# Altium PCB ssmaster.PcbDoc (part 2 of 3)
Units mil, origin at the board's own origin, x right, y up, seen from the top; angles counter-clockwise.
Board outline 3937.01 x 2755.91 mil, 4 copper layers (Top Layer, Ground Plane 1, Mid-Layer 1, Bottom Layer); 130 components, 268 nets, 1033 pads, 451 vias.
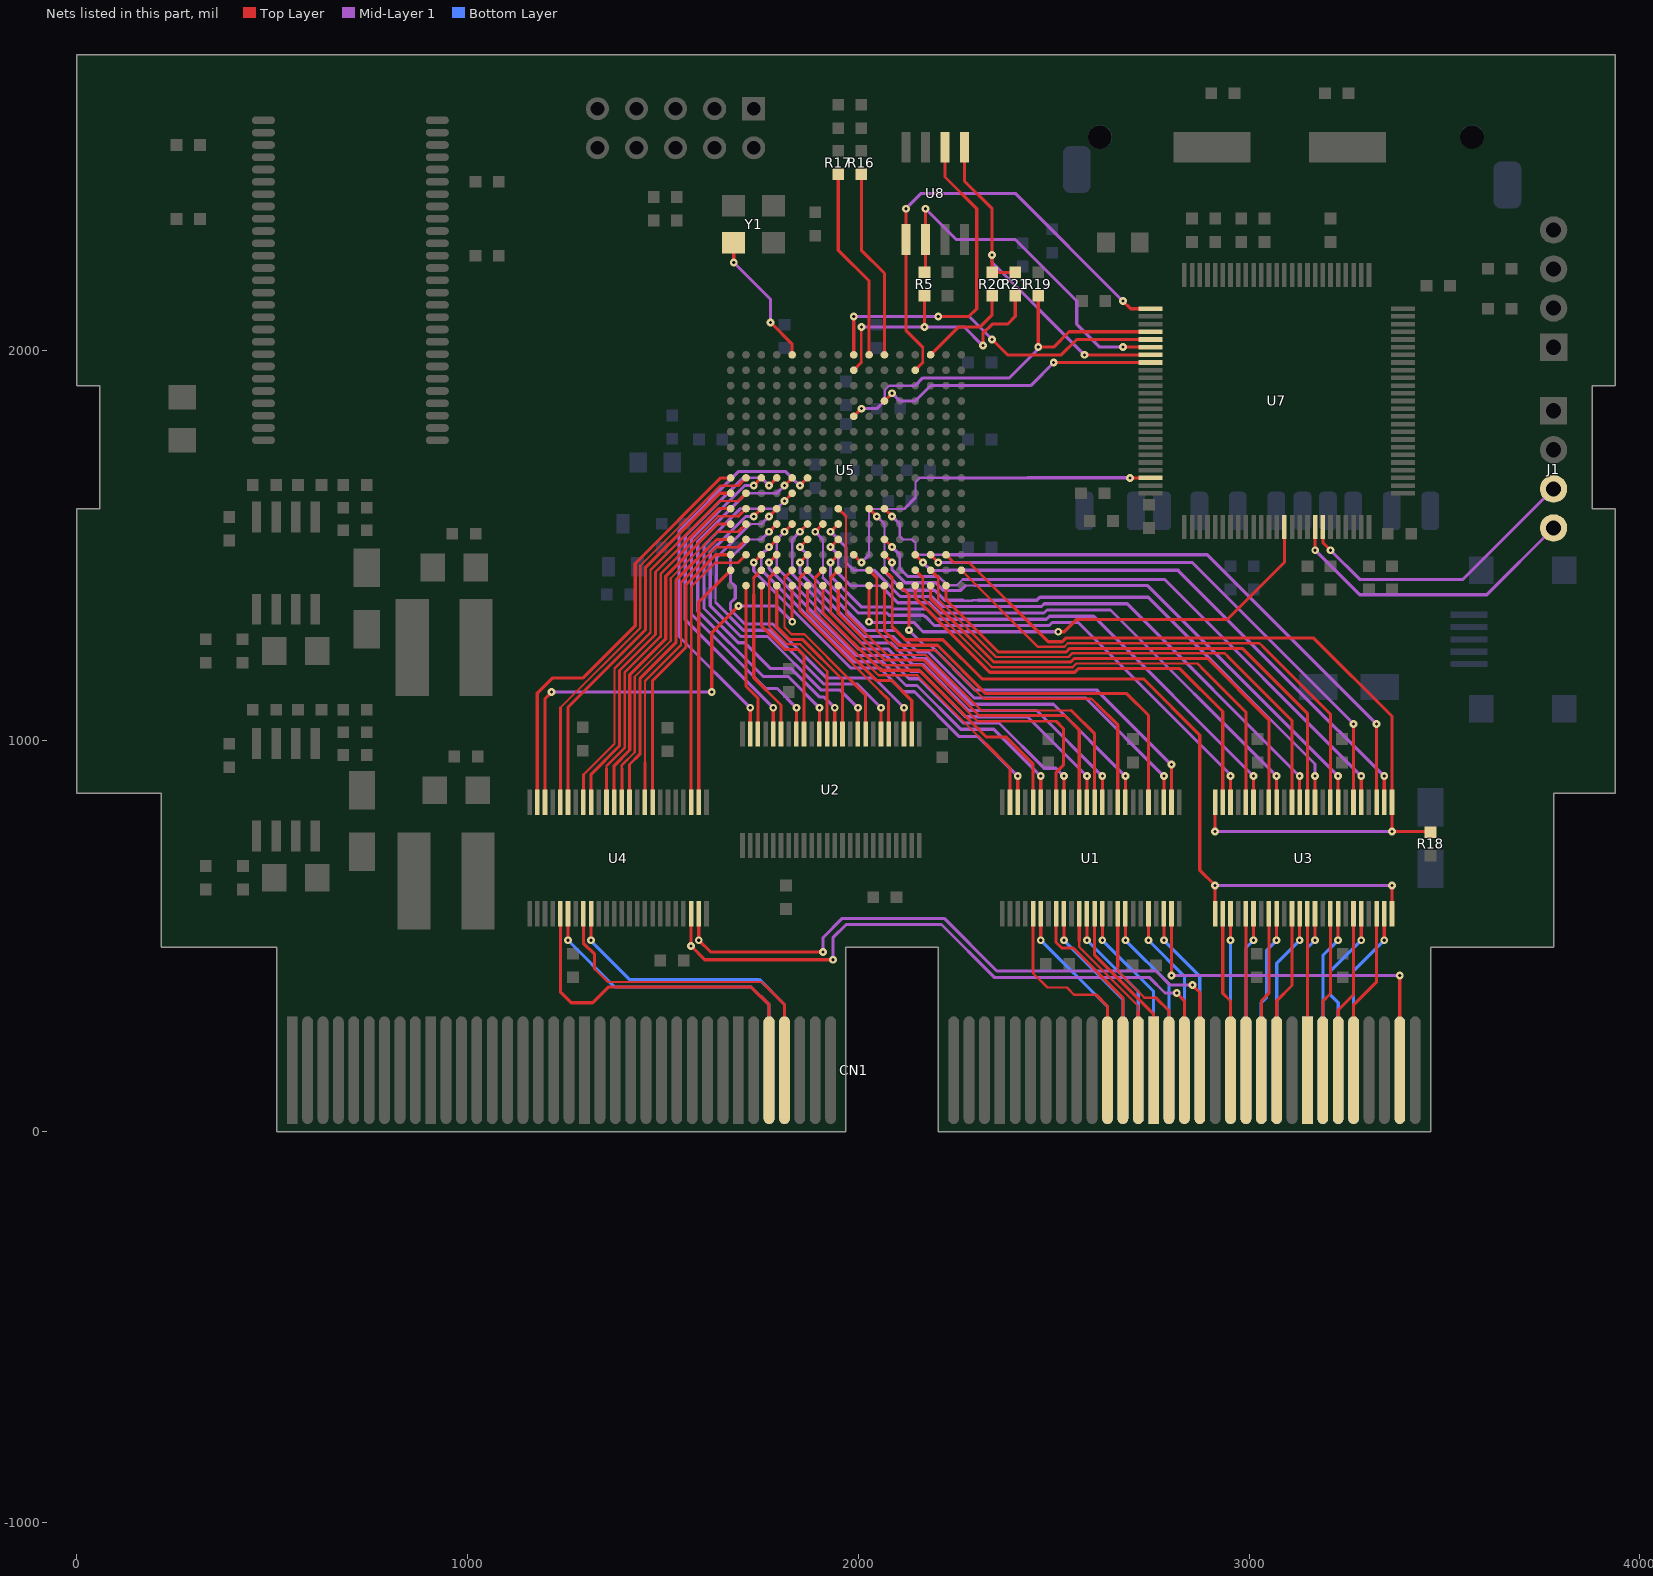
[diagram p4: the nets of this part, all layers, seen from the top]

## Via types
v1: diameter 20, hole 8, Top Layer to Bottom Layer, 430 vias
v2: diameter 28, hole 18, Top Layer to Bottom Layer, 18 vias
v3: diameter 35.43, hole 35.43, Top Layer to Bottom Layer, 2 vias
v4: diameter 50, hole 28, Top Layer to Bottom Layer, 1 vias

## Nets (pads, with @x,y where several pads share a name; then routed paths per layer and width w, separated by ;. In a path a pad name is that pad's centre, name@x,y a point inside that pad or via, vN(x,y) a via of type N, cw(c..) or ccw(c..) an arc to the next point about the centre after c; other vN are vias at no path point) (continued)
AA20: CN1.B33 U4.8 | length 843.8
  Top Layer w6: 1325,417 1359,383 1753.02,383 1763.78,372.24
  Top Layer w8: U4.8@1296.42,557.28 1296.42,482.58 1325,454 1325,417 ; 1763.78,372.24 1811.02,325 CN1.B33@1811.02,157.48
AA21: CN1.A33 U4.9 | length 799.8
  Top Layer w8: v1(1316.1,490) U4.9@1316.1,557.28
  Bottom Layer w8: v1(1316.1,490) 1316.1,487.05 1413.39,389.76 1746.26,389.76 1811.02,325 CN1.A33@1811.02,157.48
AA22: CN1.B32 U4.5 | length 947.7
  Top Layer w8: U4.5@1237.36,557.28 1237.36,385 1237.36,379.91 1237.36,357.64 1265,330 1320,330 1360,370 1726,370 1771.65,324.35 CN1.B32@1771.65,157.48
AA23: CN1.A32 U4.6 | length 817.8
  Top Layer w8: v1(1257.05,490) U4.6@1257.05,557.28
  Bottom Layer w8: v1(1257.05,490) 1377.05,370 1726.65,370 1771.65,325 CN1.A32@1771.65,157.48
AAS: CN1.A53 U1.22 | length 437.9
  Top Layer w8: v1(2782.01,490) U1.22@2782.01,557.28
  Bottom Layer w8: v1(2782.01,490) 2874.02,397.99 CN1.A53@2874.02,157.48
ACS0: CN1.A47 U1.6 | length 470.5
  Top Layer w8: v1(2467.05,490) U1.6@2467.05,557.28
  Bottom Layer w8: v1(2467.05,490) 2637.8,319.25 CN1.A47@2637.8,157.48
ACS1: CN1.B48 U1.8 | length 487.6
  Top Layer w8: U1.8@2506.42,557.28 2506.42,484.23 2520.65,470 2549.85,470 2677.17,342.68 CN1.B48@2677.17,157.48
ACS2: CN1.A48 U1.9 | length 462.4
  Top Layer w8: v1(2526.1,490) U1.9@2526.1,557.28
  Bottom Layer w8: v1(2526.1,490) 2677.17,338.94 CN1.A48@2677.17,157.48
AD0: CN1.A55 U3.3 | length 399.9
  Top Layer w8: v1(2952.49,490) U3.3@2952.49,557.28
  Bottom Layer w8: v1(2952.49,490) 2952.49,157.75 CN1.A55@2952.76,157.48
AD1: CN1.A56 U3.6 | length 407.8
  Top Layer w8: v1(3011.55,490) U3.6@3011.55,557.28
  Bottom Layer w8: CN1.A56@2992.13,157.48 2992.13,326.77 2992.13,470.58 v1(3011.55,490)
AD2: CN1.A57 U3.9 | length 417
  Top Layer w8: v1(3070.6,490) U3.9@3070.6,557.28
  Bottom Layer w8: CN1.A57@3031.1,157.88 CN1.A57@3031.5,157.48 3031,157.98 3031,330 3045,344 3045,464.4 v1(3070.6,490)
AD3: CN1.A58 U3.12 | length 424.2
  Top Layer w8: v1(3129.66,490) U3.12@3129.66,557.28
  Bottom Layer w8: CN1.A58@3070.87,157.48 3070.87,431.21 v1(3129.66,490)
AD4: CN1.B58 U3.11 | length 416
  Top Layer w8: CN1.B58@3070.87,157.48 3070.87,334.87 3109.97,373.97 U3.11@3109.97,557.28
AD5: CN1.B57 U3.8 | length 407.8
  Top Layer w8: CN1.B57@3031.5,157.48 3031.5,334.5 3050.92,353.92 U3.8@3050.92,557.28
AD6: CN1.B56 U3.5 | length 399.9
  Top Layer w8: U3.5@2991.86,557.28 2991.86,157.75 CN1.B56@2992.13,157.48
AD7: CN1.B55 U3.2 | length 408.1
  Top Layer w8: U3.2@2932.81,557.28 2932.81,354.19 2952.76,334.24 CN1.B55@2952.76,157.48
AD8: CN1.A60 U3.14 | length 407.8
  Top Layer w8: v1(3169.03,490) U3.14@3169.03,557.28
  Bottom Layer w8: CN1.A60@3149.61,157.48 3149.61,470.58 v1(3169.03,490)
AD9: CN1.A61 U3.17 | length 416
  Top Layer w8: v1(3228.08,490) U3.17@3228.08,557.28
  Bottom Layer w8: CN1.A61@3188.98,157.48 3188.98,326.77 3188.98,450.89 v1(3228.08,490)
AD10: CN1.A62 U3.20 | length 440.2
  Top Layer w8: v1(3287.14,490) U3.20@3287.14,557.28
  Bottom Layer w8: CN1.A62@3228.35,157.48 3228.35,330 3209,349.35 3209,411.86 v1(3287.14,490)
AD11: CN1.A63 U3.23 | length 432.3
  Top Layer w8: v1(3346.19,490) U3.23@3346.19,557.28
  Bottom Layer w8: CN1.A63@3267.72,157.48 3267.72,411.52 v1(3346.19,490)
AD12: CN1.B63 U3.22 | length 424.2
  Top Layer w8: CN1.B63@3267.72,157.48 3267.72,324.72 3326.51,383.51 U3.22@3326.51,557.28
AD13: CN1.B62 U3.19 | length 416.6
  Top Layer w8: CN1.B62@3227.95,157.88 CN1.B62@3228.35,157.48 3228.35,311.35 3267.45,350.45 U3.19@3267.45,557.28
AD14: CN1.B61 U3.16 | length 407.8
  Top Layer w8: CN1.B61@3188.98,157.48 3188.98,334.02 3208.4,353.44 U3.16@3208.4,557.28
AD15: CN1.B60 U3.13 | length 399.9
  Top Layer w8: U3.13@3149.34,557.28 3149.34,157.75 CN1.B60@3149.61,157.48
ADIR: U3.1 U3.24 U5.F15 | length 2054.6
  Top Layer w6: 2086.61,1292.39 2086.61,1417.32
  Top Layer w8: U5.F15@2066.93,1437.01 2086.61,1417.32 ; 2086.61,1292.39 2098.14,1280.86 2098.71,1280.86 2120.57,1259 2216.5,1259 2316.5,1159 2730,1159 2874.02,1014.98 2874.02,669.29 v1(2913.12,630.19) U3.1@2913.12,557.28 ; U3.24@3365.88,557.28 v1(3365.88,630.19)
  Mid-Layer 1 w8: v1(2913.12,630.19) v1(3365.88,630.19)
ADOE: R18.1 U3.25 U3.48 U5.B14 | length 2240
  Top Layer w6: 2244.09,1456.69 2283.46,1456.69
  Top Layer w8: U5.B14@2224.41,1476.38 2244.09,1456.69 ; 2283.46,1456.69 2486.44,1253.72 2521.55,1253.72 2530.83,1263 3166.13,1263 3365.88,1063.26 U3.25@3365.88,842.72 v1(3365.88,767.98) R18.1@3462.81,767.98 ; v1(2913.12,767.98) U3.48@2913.12,842.72
  Mid-Layer 1 w8: v1(2913.12,767.98) v1(3365.88,767.98)
AFC0: CN1.A50 U1.14 | length 454.2
  Top Layer w8: v1(2624.53,490) U1.14@2624.53,557.28
  Bottom Layer w8: v1(2624.53,490) 2755.91,358.62 CN1.A50@2755.91,157.48
AFC1: CN1.B50 U1.13 | length 462.4
  Top Layer w8: U1.13@2604.84,557.28 2604.84,451.77 2755.91,300.71 CN1.B50@2755.91,157.48
AIRQ: CN1.B53 U4.23 | length 1696.5
  Top Layer w8: U4.23@1591.69,557.28 v1(1591.69,490) 1621.69,460 v1(1910,460) ; v1(2855,375) 2874.02,355.98 CN1.B53@2874.02,157.48
  Mid-Layer 1 w8: v1(1910,460) 1910,497 1959,546 2219.63,546 2354.63,411 2762,411 2798,375 v1(2855,375)
AMCLK: CN1.B66 U1.23 | length 983.9
  Top Layer w8: v1(2801.69,400) U1.23@2801.69,557.28 ; CN1.B66@3385.83,157.48 v1(3385.83,400)
  Mid-Layer 1 w8: v1(2801.69,400) v1(3385.83,400)
ARD: CN1.B47 U1.5 | length 540.9
  Top Layer w6: 2447.36,417.32 2447.36,405.51 2483.87,369 2533.91,369 2552.91,350 2609,350
  Top Layer w8: 2447.36,417.32 U1.5@2447.36,557.28 ; 2609,350 2637.8,321.2 CN1.B47@2637.8,157.48
ATIM0: CN1.A51 U1.17 | length 446.1
  Top Layer w8: v1(2683.58,490) U1.17@2683.58,557.28
  Bottom Layer w8: v1(2683.58,490) 2795.28,378.31 CN1.A51@2795.28,157.48
ATIM1: CN1.B51 U1.16 | length 471.4
  Top Layer w6: 2663.9,421.26 2663.9,411.1 2732,343 2761.28,343
  Top Layer w8: 2663.9,421.26 U1.16@2663.9,557.28 ; 2761.28,343 2795.28,309 CN1.B51@2795.28,157.48
ATIM2: CN1.A52 U1.20 | length 437.9
  Top Layer w8: v1(2742.64,490) U1.20@2742.64,557.28
  Bottom Layer w8: v1(2742.64,490) 2834.65,397.99 CN1.A52@2834.65,157.48
AWAIT: CN1.B52 U4.22 | length 1688
  Top Layer w8: U4.22@1572.01,557.28 v1(1572.01,475) 1607.01,440 v1(1935,440) ; v1(2815,355) 2834.65,335.35 CN1.B52@2834.65,157.48
  Mid-Layer 1 w8: v1(1935,440) 1935,496 1969,530 2213,530 2348,395 2745,395 2785,355 v1(2815,355)
AWR0: CN1.A49 U1.12 | length 454.2
  Top Layer w8: v1(2585.16,490) U1.12@2585.16,557.28
  Bottom Layer w8: v1(2585.16,490) 2716.54,358.62 CN1.A49@2716.54,157.48
AWR1: CN1.B49 U1.11 | length 462.4
  Top Layer w6: 2565.47,488 2565.47,472.76 2716.54,321.69 2716.54,307.09
  Top Layer w8: 2565.47,488 U1.11@2565.47,557.28 ; CN1.B49@2716.54,157.48 2716.54,307.09
CLK_50M: U5.M1 Y1.3 | length 349.4
  Top Layer w8: v1(1681.1,2224.41) Y1.3@1681.1,2275.59 ; v1(1775.59,2070.87) 1830.71,2015.75 U5.M1@1830.71,1988.19
  Mid-Layer 1 w8: v1(1681.1,2224.41) 1775.59,2129.92 v1(1775.59,2070.87)
DEBUG_LED0: R16.1 U5.F1 | length 486.6
  Top Layer w8: R16.1@2007.87,2450.32 2007.87,2255.91 2066.93,2196.85 U5.F1@2066.93,1988.19
DEBUG_LED1: R17.1 U5.G1 | length 494.7
  Top Layer w8: R17.1@1948.82,2450.32 1948.82,2255.91 2027.56,2177.17 U5.G1@2027.56,1988.19
DEBUG_RX: J1.3 U7.69 | length 765
  Top Layer w8: U7.69@3188.98,1547.24 3188.98,1507.87 v1(3208.66,1488.19)
  Mid-Layer 1 w8: v1(3208.66,1488.19) 3283.46,1413.39 3547.72,1413.39 J1.3@3779.46,1645.13
DEBUG_TX: J1.4 U7.68 | length 787.4
  Top Layer w8: v1(3169.29,1488.19) U7.68@3169.29,1547.24
  Mid-Layer 1 w8: v1(3169.29,1488.19) 3283.46,1374.02 3608.35,1374.02 J1.4@3779.46,1545.13
EPCS_SI: R20.1 R21.2 U7.32 U8.5 | length 931.8
  Top Layer w8: U8.5@2271.85,2519.68 2271.85,2432.87 2342.52,2362.21 v1(2342.52,2244.09) R20.1@2342.52,2199.29 R21.2@2401.57,2199.29 ; v1(2578.74,1988.19) U7.32@2748.03,1988.19
  Mid-Layer 1 w8: v1(2342.52,2244.09) 2342.52,2224.41 v1(2578.74,1988.19)
EPCS_SO: R5.2 U7.31 U8.2 | length 917.9
  Top Layer w8: R5.2@2171.85,2201.85 U8.2@2171.85,2283.46 v1(2171.85,2362.2) ; v1(2677.17,2007.87) U7.31@2748.03,2007.87
  Mid-Layer 1 w8: v1(2171.85,2362.2) 2250.59,2283.46 2401.57,2283.46 2559.06,2125.98 2559.06,2066.93 2618.11,2007.87 v1(2677.17,2007.87)
FA0: U1.47 U5.K15 | length 867.1
  Top Layer w6: 1889.76,1417.32 1889.76,1329.93 2051.69,1168 2150.9,1168 2327.22,991.67
  Top Layer w8: 1889.76,1417.32 U5.K15@1909.45,1437.01 ; 2327.22,991.67 2388.31,930.59 U1.47@2388.31,842.72
FA1: U1.46 U5.P14 | length 1009.9
  Top Layer w8: v1(1732.28,1456.69) U5.P14@1751.97,1476.38 ; U1.46@2407.99,842.72 v1(2407.99,910)
  Mid-Layer 1 w8: v1(1732.28,1456.69) 1732.28,1435.1 1980.74,1186.64 2054.51,1186.64 2115.42,1125.73 2143.67,1125.73 2258.49,1010.91 2307.09,1010.91 v1(2407.99,910)
FA2: U2.27 U5.N12 | length 911.9
  Top Layer w8: v1(1771.65,1535.43) U5.N12@1791.34,1555.12 ; U2.27@2117.01,1017.72 v1(2117.01,1085)
  Mid-Layer 1 w6: 1720.47,1515.75 1751.97,1515.75
  Mid-Layer 1 w8: 1720.47,1515.75 1672.91,1468.19 1672.91,1407.95 1685.04,1395.82 1685.04,1365.32 1673,1353.28 1673,1335.98 1709.77,1299.21 1780.78,1299.21 1919.37,1160.63 2041.38,1160.63 v1(2117.01,1085) ; 1751.97,1515.75 v1(1771.65,1535.43)
FA3: U2.30 U5.N11 | length 947.3
  Top Layer w8: v1(1771.65,1574.8) U5.N11@1791.34,1594.49 ; U2.30@2057.95,1017.72 v1(2057.95,1085)
  Mid-Layer 1 w6: 1634.54,1421.61 1634.54,1354.64 1637,1352.18 ; 1724.41,1555.12 1751.97,1555.12
  Mid-Layer 1 w8: 1635,1397.64 1637,1399.64 1637,1468.43 1723.68,1555.12 ; 1637,1352.18 1705.97,1283.21 1774.16,1283.21 1911.7,1145.67 1997.28,1145.67 v1(2057.95,1085) ; 1724.05,1554.75 1724.41,1555.12 ; 1751.97,1555.12 v1(1771.65,1574.8)
FA4: U2.33 U5.P11 | length 867.9
  Top Layer w8: v1(1732.28,1574.8) U5.P11@1751.97,1594.49 ; U2.33@1998.9,1017.72 v1(1998.9,1085)
  Mid-Layer 1 w8: v1(1732.28,1574.8) 1712.42,1574.8 1621,1483.38 1621,1345.56 1699.34,1267.21 1767.53,1267.21 1904.82,1129.92 1953.98,1129.92 v1(1998.9,1085)
FA5: U2.36 U5.M10 | length 950.3
  Top Layer w8: v1(1811.02,1614.17) U5.M10@1830.71,1633.86 ; U2.36@1939.84,1017.72 v1(1939.84,1085)
  Mid-Layer 1 w6: 1698.22,1594.49 1791.34,1594.49
  Mid-Layer 1 w8: 1698.22,1594.49 1605,1501.27 1605,1338.93 1692.72,1251.21 1709.42,1251.21 1775.59,1185.04 1828.72,1185.04 1901.57,1112.18 1912.66,1112.18 v1(1939.84,1085) ; 1791.34,1594.49 v1(1811.02,1614.17)
FA6: U2.38 U5.M9 | length 968.2
  Top Layer w8: v1(1811.02,1653.54) U5.M9@1830.71,1673.23 ; U2.38@1900.47,1017.72 v1(1900.47,1085)
  Mid-Layer 1 w6: 1712.86,1633.86 1791.34,1633.86
  Mid-Layer 1 w8: 1712.86,1633.86 1589,1510 1589,1332.26 1755.91,1165.35 1820.12,1165.35 v1(1900.47,1085) ; 1791.34,1633.86 v1(1811.02,1653.54)
FA7: U2.41 U5.P9 | length 871.5
  Top Layer w8: v1(1732.28,1653.54) U5.P9@1751.97,1673.23 ; U2.41@1841.42,1017.72 v1(1841.42,1085)
  Mid-Layer 1 w8: v1(1732.28,1653.54) 1708.66,1653.54 1573,1517.88 1573,1324.64 1763.41,1134.23 1792.19,1134.23 v1(1841.42,1085)
FA8: U2.35 U5.N16 | length 469
  Top Layer w8: U5.N16@1791.34,1397.64 1791.34,1292.43 1823.69,1260.08 1856.77,1260.08 1959.53,1157.32 U2.35@1959.53,1017.72
FA9: U2.32 U5.M15 | length 532.8
  Top Layer w6: 1811.02,1417.32 1811.02,1291.13 1829.08,1273.08 1862.15,1273.08 1977.75,1157.48
  Top Layer w8: 1811.02,1417.32 U5.M15@1830.71,1437.01 ; 1977.75,1157.48 2018.58,1116.65 U2.32@2018.58,1017.72
FA10: U2.26 U5.L16 | length 513
  Top Layer w8: U5.L16@1870.08,1397.64 1870.08,1331.23 2046.31,1155 2085,1155 2136.69,1103.31 U2.26@2136.69,1017.72
FA11: U2.29 U5.L15 | length 521.6
  Top Layer w6: 1850.39,1417.32 1850.39,1332.53 2056.94,1125.98
  Top Layer w8: 1850.39,1417.32 U5.L15@1870.08,1437.01 ; 2056.94,1125.98 2077.64,1105.28 U2.29@2077.64,1017.72
FA12: U2.40 U5.P16 | length 444.5
  Top Layer w8: U5.P16@1751.97,1397.64 1751.97,1295.03 1812.92,1234.08 1846,1234.08 1861.1,1218.97 U2.40@1861.1,1017.72
FA13: U2.37 U5.N15 | length 508.3
  Top Layer w6: 1771.65,1417.32 1771.65,1293.73 1818.31,1247.08 1851.38,1247.08 1874.1,1224.36 1920.13,1178.3 1920.16,1169.29
  Top Layer w8: 1771.65,1417.32 U5.N15@1791.34,1437.01 ; U2.37@1920.16,1017.72 1920.16,1169.29
FA14: U2.44 U5.N9 | length 912.4
  Top Layer w8: v1(1771.65,1653.54) U5.N9@1791.34,1673.23 ; U2.44@1782.36,1017.72 v1(1782.36,1085)
  Mid-Layer 1 w6: 1705.72,1673.23 1751.97,1673.23
  Mid-Layer 1 w8: 1705.72,1673.23 1557,1524.51 1557,1310.36 v1(1782.36,1085) ; 1751.97,1673.23 v1(1771.65,1653.54)
FA15: U2.43 U5.P15 | length 456.3
  Top Layer w6: 1732.28,1374.02 1732.28,1417.32
  Top Layer w8: 1732.28,1374.02 1732.28,1161.72 1802.05,1091.95 U2.43@1802.05,1017.72 ; 1732.28,1417.32 U5.P15@1751.97,1437.01
FA16: U4.37 U5.T12 | length 855.1
  Top Layer w8: U4.37@1375.16,842.72 1375.16,936.93 1414.9,976.67 1414.9,1169.54 1507.01,1261.65 1507.01,1421.66 1640.47,1555.12 U5.T12@1673.23,1555.12
FA17: U2.46 U5.R16 | length 392.5
  Top Layer w8: U5.R16@1712.6,1397.64 1712.6,1140.39 1742.99,1110 1742.99,1070 U2.46@1742.99,1017.72
FA18: U4.38 U5.R11 | length 929.7
  Top Layer w6: 1355.47,929.13 1355.47,935.63 1401.9,982.06 1401.9,1174.92 1494.01,1267.03 1494.01,1427.04 1641.77,1574.8 1692.91,1574.8
  Top Layer w8: U4.38@1355.47,842.72 1355.47,929.13 ; 1692.91,1574.8 U5.R11@1712.6,1594.49
FA19: U2.47 U5.L9 | length 1010.1
  Top Layer w8: U2.47@1723.31,1017.72 v1(1723.31,1085) ; v1(1850.39,1653.54) U5.L9@1870.08,1673.23
  Mid-Layer 1 w8: v1(1723.31,1085) 1541,1267.31 1541,1537.34 1692.89,1689.23 1814.71,1689.23 v1(1850.39,1653.54)
FA20: U4.41 U5.R10 | length 992
  Top Layer w6: 1296.42,913.35 1375.9,992.83 1375.9,1185.69 1468.01,1277.8 1468.01,1437.81 1644.37,1614.17 1692.91,1614.17
  Top Layer w8: U4.41@1296.42,842.72 1296.42,913.35 ; 1692.91,1614.17 U5.R10@1712.6,1633.86
FA21: U4.40 U5.T11 | length 917.4
  Top Layer w8: U4.40@1316.1,842.72 1316.1,914.65 1388.9,987.44 1388.9,1180.31 1481.01,1272.42 1481.01,1432.43 1643.07,1594.49 U5.T11@1673.23,1594.49
FA22: U4.44 U5.R9 | length 1059.8
  Top Layer w6: 1237.36,1084.75 1442.01,1289.39 1442.01,1448.58 1646.97,1653.54 1692.91,1653.54
  Top Layer w8: U4.44@1237.36,842.72 1237.36,1084.75 ; 1692.91,1653.54 U5.R9@1712.6,1673.23 U5.R9@1716.54,1677.17
FA23: U4.43 U5.T10 | length 979.7
  Top Layer w8: U4.43@1257.05,842.72 1257.05,1086.05 1455.01,1284.01 1455.01,1443.2 1645.67,1633.86 U5.T10@1673.23,1633.86
FAIRQ: U4.26 U5.T15 | length 628.1
  Top Layer w8: U4.26@1591.69,842.72 1591.69,1355.47 U5.T15@1673.23,1437.01
FAS: U1.27 U5.L13 | length 1294.9
  Top Layer w8: v1(1850.39,1496.06) U5.L13@1870.08,1515.75 ; U1.27@2782.01,842.72 v1(2782.01,910)
  Mid-Layer 1 w6: 1870.08,1433.07 1870.08,1476.38
  Mid-Layer 1 w8: v1(1850.39,1496.06) 1870.08,1476.38 ; 1870.08,1433.07 2020.21,1282.94 2096.63,1282.94 2151.47,1228.09 2178.49,1228.09 2296.59,1110 2582.01,1110 v1(2782.01,910)
FAWAIT: U4.27 U5.R14 | length 726.4
  Top Layer w6: 1572.01,1224.41 1572.01,1394.73 ; 1572.03,1394.73 1633.15,1455.85 1681.03,1455.85 1692.06,1455.83 1692.91,1456.69
  Top Layer w8: U4.27@1572.01,842.72 1572.01,1224.41 ; 1692.91,1456.69 U5.R14@1712.6,1476.38
FCS0: U1.43 U5.N13 | length 1095.1
  Top Layer w8: v1(1771.65,1496.06) U5.N13@1791.34,1515.75 ; U1.43@2467.05,842.72 v1(2467.05,910)
  Mid-Layer 1 w6: 1751.97,1438.04 1751.97,1476.38
  Mid-Layer 1 w8: 1751.97,1438.04 1987.37,1202.64 2061.14,1202.64 2122.05,1141.73 2150.3,1141.73 2262.03,1030 2347.05,1030 v1(2467.05,910) ; 1751.97,1476.38 v1(1771.65,1496.06)
FCS1: U1.41 U5.J15 | length 1033
  Top Layer w6: 1929.13,1417.32 1929.13,1327.33 2062.46,1194 2161.67,1194 2305.67,1050 2507,1050
  Top Layer w8: 1929.13,1417.32 U5.J15@1948.82,1437.01 ; U1.41@2506.42,842.72 2506.42,919.58 2525,938.17 2525,1032 2507,1050
FCS2: U1.40 U5.N14 | length 1085.2
  Top Layer w8: v1(1771.65,1456.69) U5.N14@1791.34,1476.38 ; U1.40@2526.1,842.72 v1(2526.1,910)
  Mid-Layer 1 w8: v1(1771.65,1456.69) 1771.65,1440.99 1993.7,1218.94 2070.12,1218.94 2129.92,1159.14 2155.52,1159.14 2268.65,1046 2360,1046 2476,930 2506.1,930 v1(2526.1,910)
FD0: U3.46 U5.K12 | length 1482.2
  Top Layer w8: v1(1889.76,1535.43) U5.K12@1909.45,1555.12 ; U3.46@2952.49,842.72 v1(2952.49,910)
  Mid-Layer 1 w6: 1909.45,1418.17 1909.45,1515.75
  Mid-Layer 1 w8: v1(1889.76,1535.43) 1909.45,1515.75 ; 1909.45,1418.17 2000.62,1327 2073.57,1327 2078.74,1321.83 2166.36,1321.83 2169.29,1318.9 2171.25,1318.9 2194.62,1295.53 2488.44,1295.53 2496.06,1303.15 2562.49,1303.15 2952.49,913.15 v1(2952.49,910)
FD1: U3.43 U5.J14 | length 1431.1
  Top Layer w8: v1(1929.13,1456.69) U5.J14@1948.82,1476.38 ; U3.43@3011.55,842.72 v1(3011.55,910)
  Mid-Layer 1 w8: v1(1929.13,1456.69) 1929.13,1421.11 2007.24,1343 2082.68,1343 2087.85,1337.83 2174.95,1337.83 2201.25,1311.53 2481.81,1311.53 2489.44,1319.15 2602.4,1319.15 v1(3011.55,910)
FD2: U3.40 U5.J13 | length 1513.3
  Top Layer w8: v1(1929.13,1496.06) U5.J13@1948.82,1515.75 ; U3.40@3070.6,842.72 v1(3070.6,910)
  Mid-Layer 1 w6: 1948.82,1429.13 1948.82,1476.38 ; 1980.95,1397 2057.75,1397
  Mid-Layer 1 w8: v1(1929.13,1496.06) 1948.82,1476.38 ; 1948.82,1429.13 1980.95,1397 ; 2057.75,1397 2100.92,1353.83 2181.95,1353.83 2208.25,1327.53 2475.19,1327.53 2482.81,1335.15 2645.45,1335.15 v1(3070.6,910)
FD3: U3.37 U5.J12 | length 1583.7
  Top Layer w8: v1(1929.13,1535.43) U5.J12@1948.82,1555.12 ; U3.37@3129.66,842.72 v1(3129.66,910)
  Mid-Layer 1 w6: 1988.19,1437.01 2040.36,1437.01
  Mid-Layer 1 w8: v1(1929.13,1535.43) 1968.5,1496.06 1968.5,1456.69 1988.19,1437.01 ; 2040.36,1437.01 2107.55,1369.83 2188.58,1369.83 2214.46,1343.95 2468.98,1343.95 2476.18,1351.15 2688.22,1351.15 3129.37,910 v1(3129.66,910)
FD4: U3.38 U5.C15 | length 1333.4
  Top Layer w6: 2204.72,1417.32 2204.72,1362.7 2352.7,1214.72 2537.7,1214.72 2546.98,1224 2938,1224 2944.88,1217.12
  Top Layer w8: U5.C15@2185.04,1437.01 2204.72,1417.32 ; 2944.88,1217.12 3109.97,1052.03 U3.38@3109.97,842.72
FD5: U3.41 U5.C16 | length 1246.9
  Top Layer w8: U5.C16@2185.04,1397.64 2185.04,1364 2347.32,1201.72 2543.09,1201.72 2552.37,1211 2894,1211 3050.92,1054.08 U3.41@3050.92,842.72
FD6: U3.44 U5.D15 | length 1266.1
  Top Layer w6: 2165.35,1417.32 2165.35,1365.3 2341.94,1188.72 2548.47,1188.72 2557.75,1198 2868,1198 2877.02,1188.98
  Top Layer w8: U5.D15@2145.67,1437.01 2165.35,1417.32 ; 2877.02,1188.98 2991.86,1074.14 U3.44@2991.86,842.72
FD7: U3.47 U5.D16 | length 1179
  Top Layer w8: U5.D16@2145.67,1397.64 2145.67,1366.6 2336.55,1175.72 2553.86,1175.72 2563.14,1185 2823,1185 2932.81,1075.19 U3.47@2932.81,842.72
FD8: U3.35 U5.G11 | length 1589.3
  Top Layer w8: U5.G11@2027.56,1594.49 v1(2047.24,1574.8) ; U3.35@3169.03,842.72 v1(3169.03,910)
  Mid-Layer 1 w6: 2066.93,1433.07 2066.93,1555.12 ; 2267.72,1359.95 2268.72,1358.95 2291.34,1358.95 2292.34,1359.95 2307.09,1359.95
  Mid-Layer 1 w8: v1(2047.24,1574.8) 2066.93,1555.12 ; 2066.93,1433.07 2114.17,1385.83 2195.21,1385.83 2221.08,1359.95 2267.72,1359.95 ; 2307.09,1359.95 2456.69,1359.95 2464.57,1367.83 2742.17,1367.83 3169.03,940.97 v1(3169.03,910)
FD9: U3.32 U5.F14 | length 1484.6
  Top Layer w8: U5.F14@2066.93,1476.38 v1(2086.62,1456.69) ; U3.32@3228.08,842.72 v1(3228.08,910)
  Mid-Layer 1 w6: 2274.29,1397.64 2299.21,1397.64
  Mid-Layer 1 w8: v1(2086.62,1456.69) 2086.62,1438.3 2119.91,1405 2198.66,1405 2219.02,1384.64 2261.29,1384.64 2274.29,1397.64 ; 2299.21,1397.64 2740.45,1397.64 v1(3228.08,910)
FD10: U3.29 U5.F13 | length 1571.7
  Top Layer w8: U5.F13@2066.93,1515.75 v1(2086.62,1496.06) ; U3.29@3287.14,842.72 v1(3287.14,910)
  Mid-Layer 1 w6: 2106.3,1441.24 2106.3,1476.38 ; 2225.65,1400.64 2227.97,1398.32 2251.96,1398.32 2267.28,1413.64 2267.66,1413.64
  Mid-Layer 1 w8: v1(2086.62,1496.06) 2106.3,1476.38 ; 2106.3,1441.24 2126.54,1421 2205.29,1421 2225.65,1400.64 ; 2267.66,1413.64 2747.07,1413.64 2747.32,1413.39 2783.75,1413.39 v1(3287.14,910)
FD11: U3.26 U5.D14 | length 1503.8
  Top Layer w8: U5.D14@2145.67,1476.38 v1(2165.36,1456.69) ; U3.26@3346.19,842.72 v1(3346.19,910)
  Mid-Layer 1 w8: v1(2165.36,1456.69) 2185.36,1436.69 2235.18,1436.69 2235.81,1437.32 2252.38,1437.32 2252.69,1437.01 2819.19,1437.01 2819.19,1435.53 3229.72,1025 3231.19,1025 v1(3346.19,910)
FD12: U3.27 U5.F11 | length 1720.6
  Top Layer w8: U5.F11@2066.93,1594.49 v1(2086.62,1574.8) ; U3.27@3326.51,842.72 v1(3326.51,1043.04)
  Mid-Layer 1 w6: 2106.3,1555.12 2106.3,1523.62 2114.17,1515.75 2137.8,1515.75 2146.36,1507.19 2146.36,1483.57 2153.54,1476.38 2224.41,1476.38
  Mid-Layer 1 w8: v1(2086.62,1574.8) 2106.3,1555.12 ; 2224.41,1476.38 2893.17,1476.38 v1(3326.51,1043.04)
FD13: U3.30 U5.C14 | length 1462.7
  Top Layer w8: U5.C14@2185.04,1476.38 v1(2204.73,1456.69) ; U3.30@3267.45,842.72 v1(3267.45,1043.04)
  Mid-Layer 1 w8: v1(2204.73,1456.69) 2854.59,1456.69 3267.45,1043.83 v1(3267.45,1043.04)
FD14: U3.33 U5.A15 | length 1330.8
  Top Layer w6: U5.A15@2263.78,1437.01 2460.07,1240.72 2526.93,1240.72 2536.21,1250 3027,1250 3035.43,1241.57
  Top Layer w8: 3035.43,1241.57 3208.4,1068.6 U3.33@3208.4,842.72
FD15: U3.36 U5.B16 | length 1317.2
  Top Layer w8: U5.B16@2224.41,1397.64 2224.41,1361.4 2358.09,1227.72 2532.32,1227.72 2541.6,1237 2983,1237 3149.34,1070.66 U3.36@3149.34,842.72
FFC0: U1.35 U5.L12 | length 1219.6
  Top Layer w8: v1(1850.39,1535.43) U5.L12@1870.08,1555.12 ; U1.35@2624.53,842.72 v1(2624.53,910)
  Mid-Layer 1 w6: 1830.71,1427.19 1830.71,1515.75
  Mid-Layer 1 w8: 1830.71,1427.19 2006.96,1250.94 2083.38,1250.94 2139.04,1195.27 2166.06,1195.27 2283.33,1078 2456.53,1078 v1(2624.53,910) ; 1830.71,1515.75 v1(1850.39,1535.43)
FFC1: U1.36 U5.J11 | length 1216.7
  Top Layer w6: 1968.5,1574.8 1968.5,1324.73 2073.23,1220 2172.44,1220 2314.44,1078 2545,1078
  Top Layer w8: U5.J11@1948.82,1594.49 1968.5,1574.8 ; 2545,1078 2604.84,1018.16 U1.36@2604.84,842.72
FIBCK: U4.33 U5.R13 | length 813.2
  Top Layer w6: 1453.9,944.88 1453.9,1153.39 1546.01,1245.5 1546.01,1405.5 1636.57,1496.06 1692.91,1496.06
  Top Layer w8: U4.33@1453.9,842.72 1453.9,944.88 ; 1692.91,1496.06 U5.R13@1712.6,1515.75
FILRCK: U4.32 U5.T14 | length 738.6
  Top Layer w8: U4.32@1473.58,842.72 1473.58,1154.69 1559.01,1240.11 1559.01,1400.12 1635.27,1476.38 U5.T14@1673.23,1476.38
FISD: U4.35 U5.T13 | length 800.9
  Top Layer w8: U4.35@1414.53,842.72 1414.53,939.53 1440.9,965.9 1440.9,1158.77 1533.01,1250.88 1533.01,1410.89 1637.87,1515.75 U5.T13@1673.23,1515.75
FMCLK: U1.26 U5.E16 | length 1036.4
  Top Layer w8: U5.E16@2106.3,1397.64 2129.92,1374.02 v1(2129.92,1283.46) ; U1.26@2801.69,842.72 v1(2801.69,940)
  Mid-Layer 1 w8: v1(2129.92,1283.46) 2169.29,1244.09 2185.12,1244.09 2299.21,1130 2611.69,1130 2611.69,1128.02 2799.72,940 v1(2801.69,940)
FPGA_ASDO: R20.2 U5.C1 | length 248.6
  Top Layer w8: U5.C1@2185.04,1988.19 2255.91,2059.06 2283.46,2059.06 2311.02,2059.06 2342.52,2090.55 R20.2@2342.52,2139.29
FPGA_CFG: R19.1 U5.H5 U7.29 | length 999.7
  Top Layer w8: U5.H5@1988.19,1830.71 v1(2007.87,1850.39) ; R19.1@2460.63,2139.29 v1(2460.63,2007.87) 2500,2007.87 2539.37,2047.24 U7.29@2748.03,2047.24
  Mid-Layer 1 w6: 2066.93,1870.08 2067.62,1870.76 2067.62,1897.63 2079.43,1909.45 2145.67,1909.45
  Mid-Layer 1 w8: v1(2007.87,1850.39) 2047.25,1850.39 2066.93,1870.08 ; 2145.67,1909.45 2165.35,1929.13 2369.35,1929.13 2369.67,1928.82 2386.24,1928.82 2460.63,2003.21 v1(2460.63,2007.87)
FPGA_CS: U5.D2 U7.26 U8.1 | length 1204.4
  Top Layer w6: 2165.36,1968.5 2165.36,2007.87
  Top Layer w8: v1(2121.85,2362.2) U8.1@2121.85,2283.46 2121.85,2051.38 2165.36,2007.87 ; U5.D2@2145.67,1948.82 2165.36,1968.5 ; v1(2677.17,2125.98) 2696.85,2106.3 U7.26@2748.03,2106.3
  Mid-Layer 1 w8: v1(2121.85,2362.2) 2161.23,2401.57 2401.57,2401.57 v1(2677.17,2125.98)
FPGA_DATA: R5.1 R21.1 U5.H2 | length 714.3
  Top Layer w6: 2007.87,1968.5 v1(2007.87,2059.06)
  Top Layer w8: U5.H2@1988.19,1948.82 2007.87,1968.5 ; v1(2169.29,2059.05) R5.1@2169.29,2139.29 ; v1(2318.9,2011.81) 2318.9,2043.31 2342.52,2066.93 2381.89,2066.93 2401.58,2086.61 R21.1@2401.58,2139.29
  Mid-Layer 1 w8: v1(2007.87,2059.06) 2008.18,2059.37 2168.98,2059.37 v1(2169.29,2059.05) 2271.65,2059.06 v1(2318.9,2011.81)
FPGA_DCLK: U5.H1 U7.30 U8.6 | length 1469
  Top Layer w8: U5.H1@1988.19,1988.19 v1(1988.18,2086.61) ; v1(2204.72,2086.61) 2283.46,2086.61 2303.15,2106.3 2303.15,2362.2 2221.85,2443.5 U8.6@2221.85,2519.68 ; v1(2342.52,2027.56) 2381.89,1988.19 2519.69,1988.19 2559.05,2027.56 U7.30@2748.03,2027.56
  Mid-Layer 1 w8: v1(1988.18,2086.61) v1(2204.72,2086.61) 2283.46,2086.61 v1(2342.52,2027.56)
FPGA_DONE: U5.H14 U7.48 | length 945.6
  Top Layer w8: U5.H14@1988.19,1476.38 v1(2007.87,1456.69) ; v1(2695.48,1673.23) U7.48@2748.03,1673.23
  Mid-Layer 1 w6: 2027.56,1476.38 2027.56,1586.61 2034.75,1593.8 2117.42,1593.8 2118.11,1594.49 ; 2145.67,1622.05 2146.36,1622.73 2146.36,1662.1 2157.48,1673.23 2224.41,1673.23
  Mid-Layer 1 w8: v1(2007.87,1456.69) 2027.56,1476.38 ; 2118.11,1594.49 2145.67,1622.05 ; 2224.41,1673.23 2432.35,1673.23 2432.66,1673.54 2695.17,1673.54 v1(2695.48,1673.23)
FPGA_INIT: U5.G16 U7.64 | length 1338
  Top Layer w8: v1(2027.56,1305) U5.G16@2027.56,1397.64 ; v1(2511.81,1279.53) 2527.56,1279.53 2559.05,1311.02 2917.32,1311.02 ; 2925.2,1311.02 2917.32,1311.02 ; U7.64@3090.55,1547.24 3090.55,1476.38 3090.55,1456.69 2944.88,1311.02 2917.32,1311.02
  Mid-Layer 1 w8: v1(2027.56,1305) 2029.09,1303.46 2141.67,1303.46 2165.61,1279.53 v1(2511.81,1279.53)
FPGA_STAT: U5.F4 U7.33 | length 738.7
  Top Layer w8: U5.F4@2066.93,1870.08 v1(2086.62,1889.76) ; v1(2500,1968.5) U7.33@2748.03,1968.5
  Mid-Layer 1 w8: v1(2086.62,1889.76) 2106.62,1869.76 2134.27,1869.76 2134.58,1870.08 2145.67,1870.08 2185.36,1909.76 2213.01,1909.76 2213.33,1909.45 2440.95,1909.45 v1(2500,1968.5)
FRD: U1.44 U5.K16 | length 865.6
  Top Layer w8: U5.K16@1909.45,1397.64 1909.45,1328.63 2057.08,1181 2156.28,1181 2326.83,1010.45 2377.62,1010.45 2447.36,940.71 U1.44@2447.36,842.72
FSPCLK: U4.46 U5.M16 | length 1261.8
  Top Layer w8: U4.46@1197.99,842.72 1197.99,1107.99 v1(1215,1125) ; v1(1625,1125) 1625,1277 v1(1693,1345) ; 1830.71,1330.71 U5.M16@1830.71,1397.64 1830.71,1305.29 v1(1831,1305)
  Mid-Layer 1 w8: v1(1215,1125) v1(1625,1125) ; v1(1693,1345) 1791,1345 v1(1831,1305)
FSSEL: U4.36 U5.R12 | length 875.5
  Top Layer w6: 1394.84,929.13 1394.84,938.23 1427.9,971.29 1427.9,1164.15 1520.01,1256.26 1520.01,1416.27 1639.17,1535.43 1692.91,1535.43
  Top Layer w8: U4.36@1394.84,842.72 1394.84,929.13 ; 1692.91,1535.43 U5.R12@1712.6,1555.12
FSYSRES: U4.47 U5.T9 | length 1095.8
  Top Layer w8: U4.47@1178.31,842.72 1178.31,1122.05 1217.68,1161.42 1295.65,1161.42 1429.01,1294.78 1429.01,1453.97 1648.27,1673.23 U5.T9@1673.23,1673.23
FTIM0: U1.32 U5.L14 | length 1170.3
  Top Layer w8: v1(1850.39,1456.69) U5.L14@1870.08,1476.38 ; U1.32@2683.58,842.72 v1(2683.58,910)
  Mid-Layer 1 w8: v1(1850.39,1456.69) 1850.39,1430.13 2013.59,1266.94 2090,1266.94 2145.67,1211.27 2172.69,1211.27 2289.96,1094 2499.58,1094 v1(2683.58,910)
FTIM1: U1.33 U5.G15 | length 1077.5
  Top Layer w6: 2047.24,1417.32 2047.24,1282.76 2087.54,1242.46 2087.96,1242.46 2098.43,1232 2197.13,1232 2321.12,1108.02 2596.98,1108.02 2610.51,1094.49
  Top Layer w8: U5.G15@2027.56,1437.01 2047.24,1417.32 ; 2610.51,1094.49 2663.9,1041.1 U1.33@2663.9,842.72
FTIM2: U1.29 U5.F16 | length 1104
  Top Layer w8: U5.F16@2066.93,1397.64 2066.93,1281.46 2082.68,1265.71 2083.1,1265.71 2103.81,1245 2202.54,1245 2326.53,1121.02 2686.98,1121.02 2742.64,1065.36 U1.29@2742.64,842.72
FWR0: U1.37 U5.M12 | length 1209.8
  Top Layer w8: v1(1811.02,1535.43) U5.M12@1830.71,1555.12 ; U1.37@2585.16,842.72 v1(2585.16,910)
  Mid-Layer 1 w6: 1791.34,1443.93 1791.34,1515.75
  Mid-Layer 1 w8: 1791.34,1443.93 2000.33,1234.94 2076.75,1234.94 2133.86,1177.83 2159.46,1177.83 2275.28,1062 2433.16,1062 v1(2585.16,910) ; 1791.34,1515.75 v1(1811.02,1535.43)
FWR1: U1.38 U5.J16 | length 1024.6
  Top Layer w8: 1948.82,1330.71 1948.82,1358 ; U5.J16@1948.82,1397.64 1948.82,1358 ; U1.38@2565.47,842.72 2565.47,1028.53 2529,1065 2309.05,1065 2167.05,1207 2067.85,1207 1948.82,1326.03 1948.82,1358